# Altium PCB 电磁板.PcbDoc
Units mil, origin at the board's own origin, x right, y up, seen from the top; angles counter-clockwise.
Board outline 2010 x 1340 mil, 2 copper layers (Top Layer, Bottom Layer); 59 components, 45 nets, 184 pads, 31 vias.
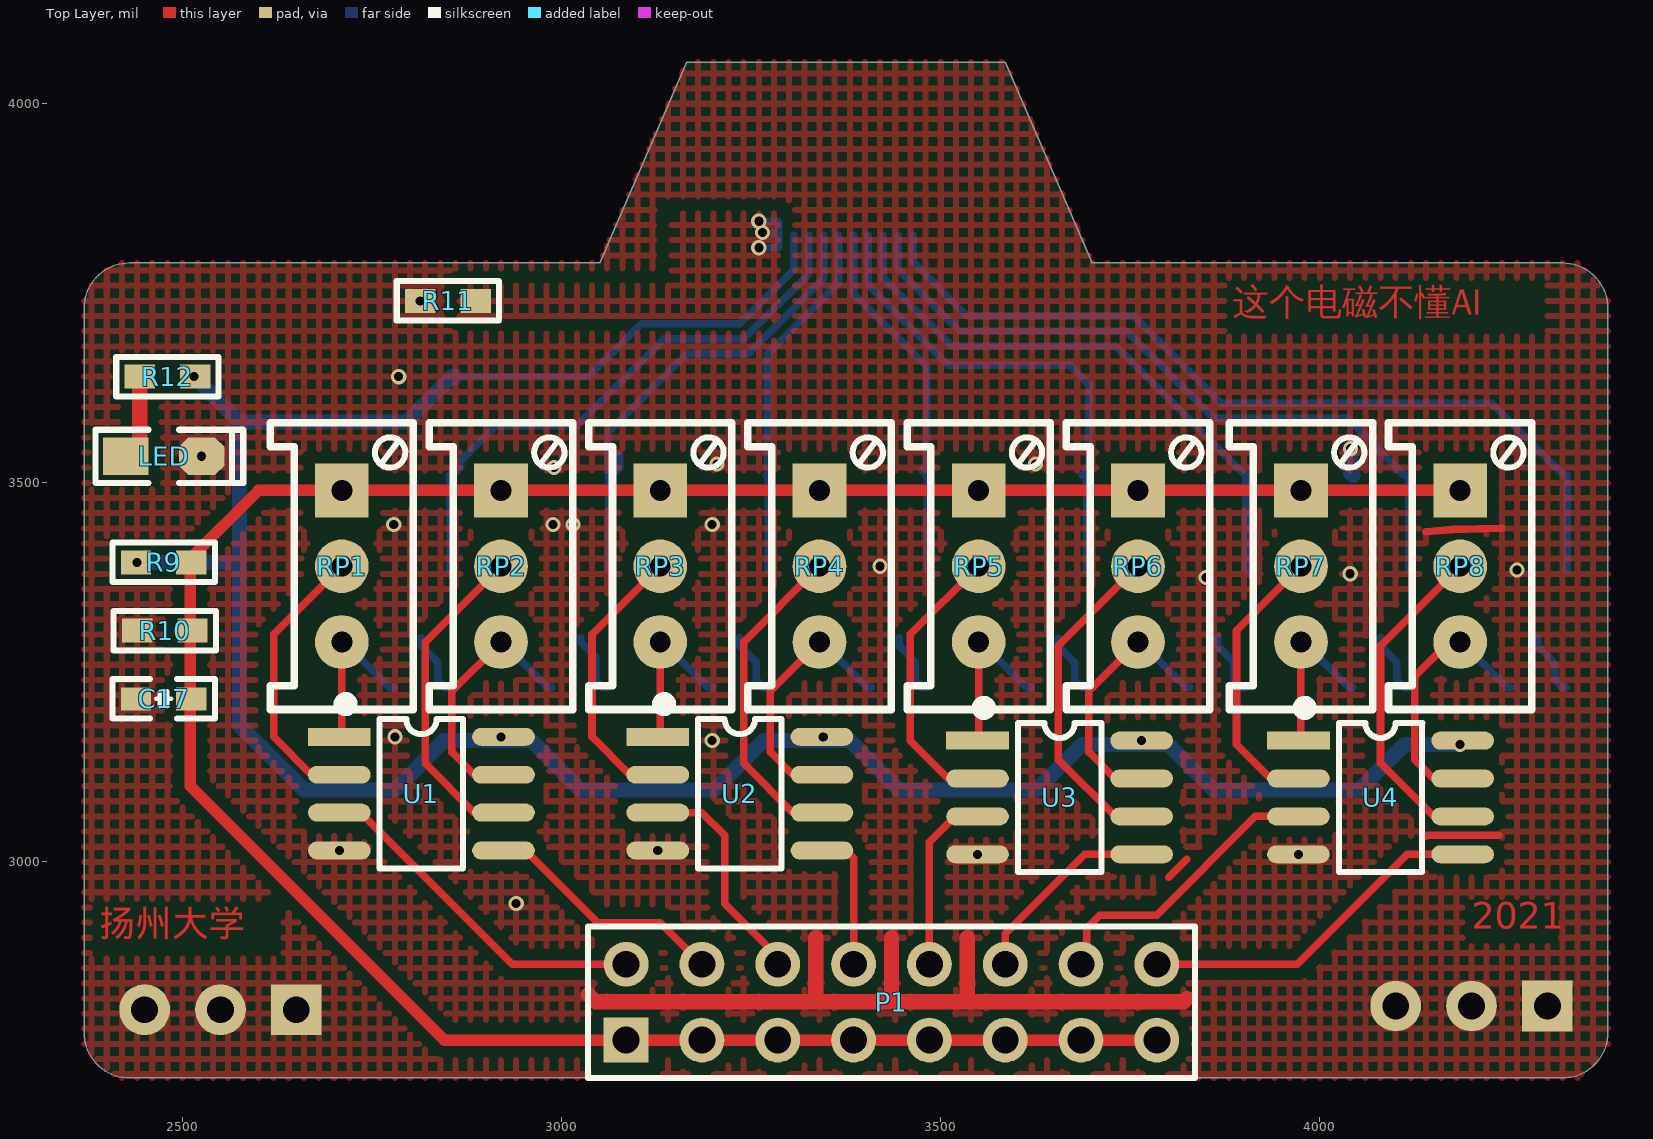
[diagram p0: Top Layer view]
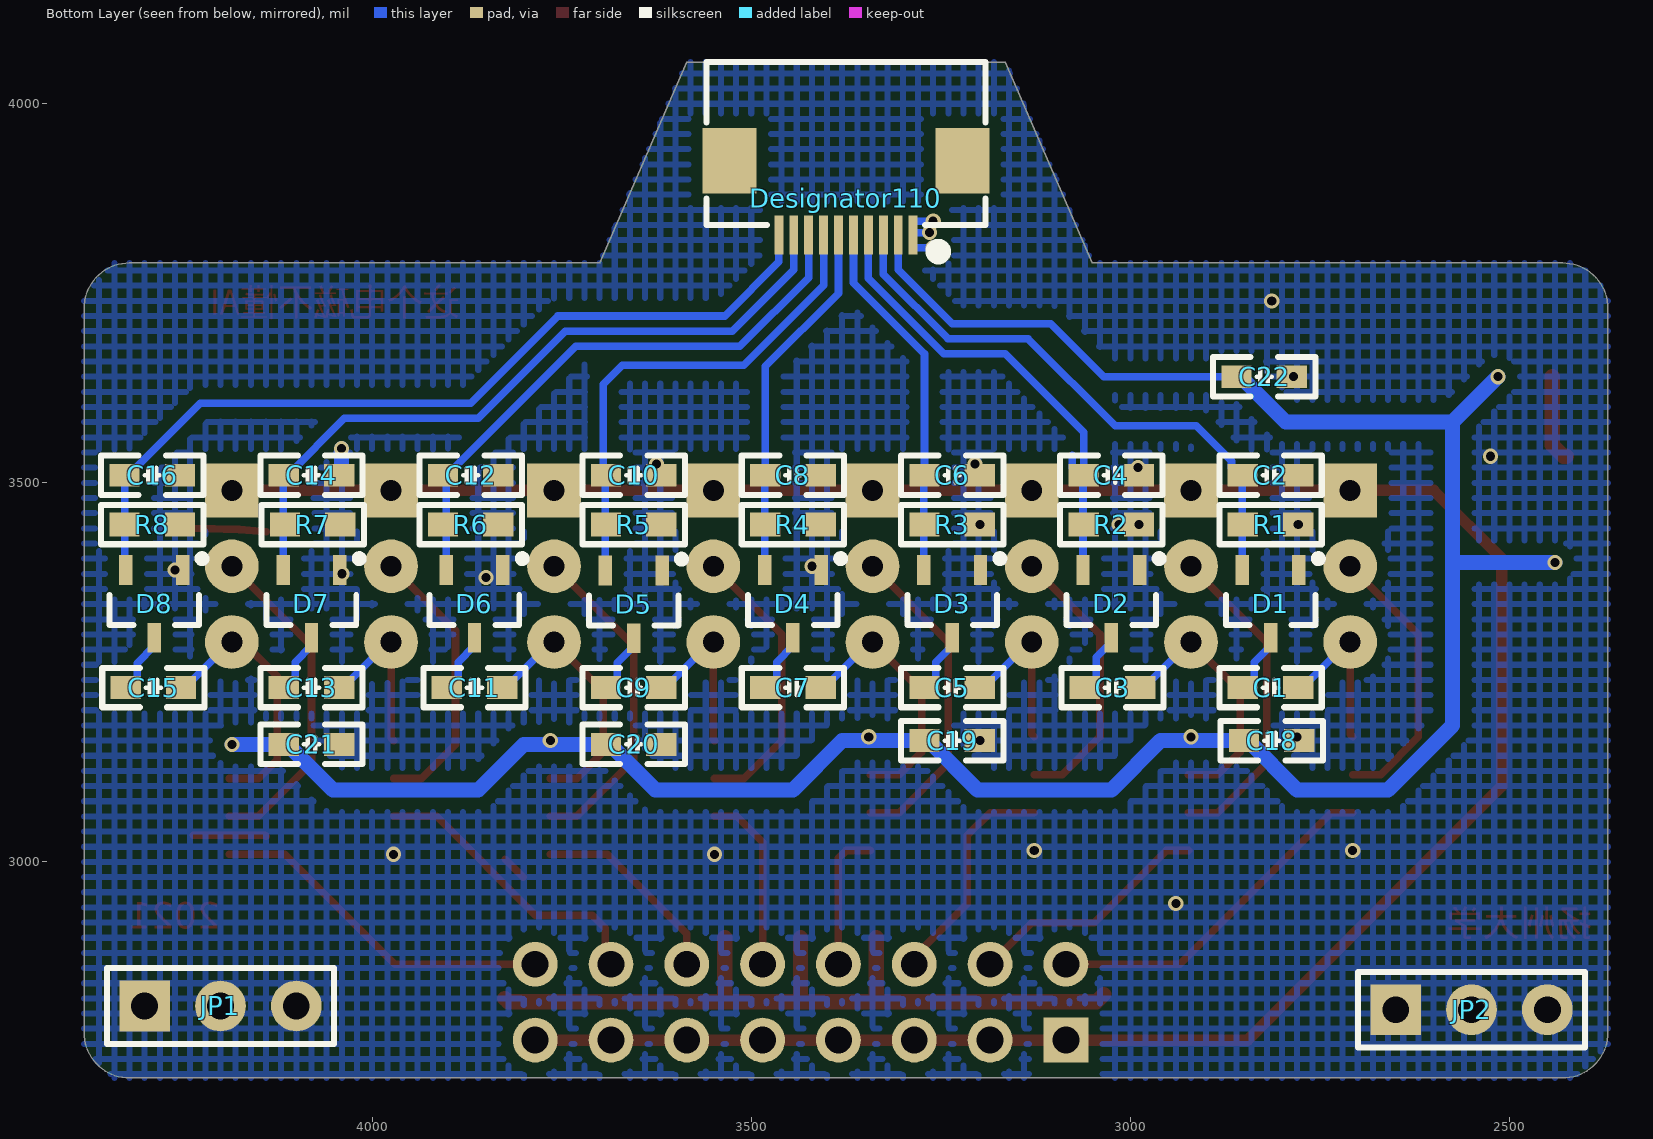
[diagram p1: Bottom Layer view, seen from below]

## Layer stack, top to bottom
Top Solder: solder mask 0.4, Solder Resist, Dk 3.5
Top Layer: signal copper 1.4
Dielectric 1: dielectric 12.6, FR-4, Dk 4.8
Bottom Layer: signal copper 1.4
Bottom Solder: solder mask 0.4, Solder Resist, Dk 3.5

## Board outline
2370,2775 2370,3730 cw(c2430,3730) 2430,3790 3050,3790 3165,4055 3585,4055 3700,3790 4320,3790 cw(c4320,3730) 4380,3730 4380,2775 cw(c4320,2775) 4320,2715 2430,2715 cw(c2430,2775)

## Design rules (kind name [scope] priority, off if disabled: settings)
Clearance [All] p1: gap=8 ignorepadtopadclearanceinfootprint=TRUE except(15: Arc-Poly Track-Poly SMDPad-Poly THPad-Poly Via-Poly Fill-Poly Poly-Poly)
PolygonConnect [All] p1: connectstyle=Direct reliefconductorwidth=10 reliefentries=4 polygonreliefangle="90 Angle" airgapwidth=10
RoutingVias [All] p1: holewidth=28 width=50 viastyle="Through Hole" minholewidth=28 minwidth=50 maxholewidth=28 maxwidth=50
SolderMaskExpansion [All] p1: expansion=4
Width [All] p1: maxlimit=30 minlimit=10 preferedwidth=10 minimp=50.000000 maximp=50.000000 favimp=50.000000
30 further rules are at their usual default settings.

## Components (designator, comment, footprint, x,y, rotation, side; value= is the part's Value field where it differs from the comment)
C1 "104" "C 0603_M" 2815,3230 r0 bottom
C2 "104" "C 0603_M" 2815,3510 r0 bottom
C3 "104" "C 0603_M" 3023.5,3230 r0 bottom
C4 "104" "C 0603_M" 3025,3510 r0 bottom
C5 "104" "C 0603_M" 3235,3230 r0 bottom
C6 "104" "C 0603_M" 3235,3510 r0 bottom
C7 "104" "C 0603_M" 3445,3230 r0 bottom
C8 "104" "C 0603_M" 3445,3510 r0 bottom
C9 "104" "C 0603_M" 3655,3230 r0 bottom
C10 "104" "C 0603_M" 3655,3510 r0 bottom
C11 "104" "C 0603_M" 3865,3230 r0 bottom
C12 "104" "C 0603_M" 3870,3510 r0 bottom
C13 "104" "C 0603_M" 4080,3230 r0 bottom
C14 "104" "C 0603_M" 4080,3510 r0 bottom
C15 "104" "C 0603_M" 4288.5,3230 r0 bottom
C16 "104" "C 0603_M" 4290,3510 r0 bottom
C17 "104" "C 0603_M" 2475,3215 r0 top
C18 "104" "C 0603_M" 2813.5,3160 r0 bottom
C19 "104" "C 0603_M" 3235,3160 r0 bottom
C20 "104" "C 0603_M" 3655,3155 r0 bottom
C21 "104" "C 0603_M" 4080,3155 r0 bottom
C22 "104" "C 0603_M" 2823.5,3640 r0 bottom
D1 "BAT54S" SOT23-3L 2815,3340 r0 bottom
D2 "BAT54S" SOT23-3L 3025,3340 r0 bottom
D3 "BAT54S" SOT23-3L 3235,3340 r0 bottom
D4 "BAT54S" SOT23-3L 3445,3340 r0 bottom
D5 "BAT54S" SOT23-3L 3655,3339.29 r0 bottom
D6 "BAT54S" SOT23-3L 3865,3340 r0 bottom
D7 "BAT54S" SOT23-3L 4080,3340 r0 bottom
D8 "BAT54S" SOT23-3L 4287.4,3340 r0 bottom
Designator110 "Comment" "FPC0.5 2H-WS-10P" 3375,3925 r0 bottom
JP1 "HDR-1X3" HDR2.54-LI-3P 4200,2810 r180 bottom
JP2 "HDR-1X3" HDR2.54-LI-3P 2550,2805 r180 bottom
LED "红色" "LED 0805G" 2475,3535 r0 top
P1 "Header 8X2" HDR2X8 3085,2765 r0 top
R1 "100K" "R 0603_M" 2815,3445 r0 bottom
R2 "100K" "R 0603_M" 3025,3445 r0 bottom
R3 "100K" "R 0603_M" 3235,3445 r0 bottom
R4 "100K" "R 0603_M" 3445,3445 r0 bottom
R5 "100K" "R 0603_M" 3655,3445 r0 bottom
R6 "100K" "R 0603_M" 3870,3445 r0 bottom
R7 "100K" "R 0603_M" 4078.5,3445 r0 bottom
R8 "100K" "R 0603_M" 4290,3445 r0 bottom
R9 "10K" "R 0603_M" 2475,3395 r180 top
R10 "10K" "R 0603_M" 2476.5,3305 r0 top
R11 "0R" "R 0603_M" 2850,3740 r180 top
R12 "10K" "R 0603_M" 2480,3640 r0 top
RP1 "500K" 3296W 2710,3390 r270 top
RP2 "500K" 3296W 2920,3390 r270 top
RP3 "500K" 3296W 3130,3390 r270 top
RP4 "500K" 3296W 3340,3390 r270 top
RP5 "500K" 3296W 3550,3390 r270 top
RP6 "500K" 3296W 3760,3390 r270 top
RP7 "500K" 3296W 3975,3390 r270 top
RP8 "500K" 3296W 4185,3390 r270 top
U1 "OPA2350" SOP8_M 2815,3090 r0 top
U2 "OPA2350" SOP8_M 3235,3090 r0 top
U3 "OPA2350" SOP8_M 3656.73,3085 r0 top
U4 "OPA2350" SOP8_M 4080,3085 r0 top

## Footprints (in the part's own frame and the unit in brackets; to place one, negate y for a bottom-side part, rotate by r counter-clockwise, add the part's x,y. Pads: shape width x height; smd on the part's side, far side on the other; paste and mask are expansions set on the pad)
3296W [mm] "Precise Multi-Winding Adjustable Resistor"
  rect 1.8x1.8 hole 0.7: 1(-2.54,0)
  round 1.8 hole 0.7: 2(0,0) 3(2.54,0)
  silkscreen extent -4.8,-2.4 4.8,2.4, body extent -4.75,-2.4 4.75,2.4, height 11.52
"C 0603_M" [mil] "无极性贴片电容"
  rect 40x30 smd: 1(-36.5,0) 2(36.5,0)
  silkscreen extent -68,-26 68,26, body extent -31,-16 31,16, height 32
"FPC0.5 2H-WS-10P" [mm] "长：9.2mm，宽：5.2mm，高：2mm"
  rect 1.8x2.2 smd: 0(-3.9,0) 0(3.9,0)
  rect 0.3x1.3 smd: 1(-2.25,2.497) 2(-1.75,2.497) 3(-1.25,2.497) 4(-0.75,2.497) 5(-0.25,2.497) 6(0.25,2.497) 7(0.75,2.497) 8(1.25,2.497) 9(1.75,2.497) 10(2.25,2.497)
  silkscreen extent -4.67,-3.3 4.67,3.23, body extent -4.6,-3.15 4.6,2.85, height 2
HDR2.54-LI-3P [mm] "排针，3脚"
  rect 1.7x1.7 hole 0.9: 1(-2.54,0)
  round 1.7 hole 0.9: 2(0,0) 3(2.54,0)
  silkscreen extent -3.81,-1.27 3.81,1.27, body extent -3.81,-1.27 3.81,1.27, height 8.5
HDR2X8 [mm] "Connector; Header; 8x2 Position"
  rect 1.5x1.5 hole 0.9: 1(0,0)
  round 1.5 hole 0.9: 2(0,2.54) 3(2.54,0) 4(2.54,2.54) 5(5.08,0) 6(5.08,2.54) 7(7.62,0) 8(7.62,2.54) 9(10.16,0) 10(10.16,2.54) 11(12.7,0) 12(12.7,2.54) 13(15.24,0) 14(15.24,2.54) 15(17.78,0) 16(17.78,2.54)
  silkscreen extent -1.27,-1.27 19.05,3.81
"LED 0805G" [mil] "绿色0805LED"
  rect 60x50 smd: 1(-50,0)
  oct 60x50 smd: 2(50,0)
  silkscreen extent -90,-35 105,35, body extent -39,-25 39,25, height 32
"R 0603_M" [mil] "1/10W贴片电阻"
  rect 40x31.5 smd: 1(-36.5,0) 2(36.5,0)
  silkscreen extent -68,-26 68,26, body extent -31,-16 31,16, height 16
SOP8_M [mm] "5*6*1.8mm（长宽高）"
  rect 2.1x0.6 smd: 1(-2.75,1.905)
  oval 2.1x0.6 smd: 2(-2.75,0.635) 3(-2.75,-0.635) 4(-2.75,-1.905) 5(2.75,-1.905) 6(2.75,-0.635) 7(2.75,0.635) 8(2.75,1.905)
  silkscreen extent -2.69,-2.5 1.4,3.15, body extent -3,-2.5 3,2.5, height 1.9
SOT23-3L [mm] "3x1.3x1mm(长宽高)"
  rect 0.45x1 smd: 1(-0.95,-1.143) 2(0.95,-1.143) 3(0,1.125)
  silkscreen extent -1.72,-1.65 1.5,0.7, body extent -1.5,-1.2 1.5,1.2, height 1.05

## Part data
C1 C2 C3 C4 C5 C6 C7 C8 C9 C10 C11 C12 C13 C14 C15 C16 C17 C18 C19 C20 C21 C22: library part C, "无极性贴片电容"
JP1 JP2: library part "Header 3", "3P接插件"
LED: library part LED-SMD, "贴片LED", BOM名称=Ì, 学习资源=www.oooc
P1: "Header, 8-Pin, Dual row", LatestRevisionDate=17-Jul-2002, LatestRevisionNote="Re-released for DXP Platform.", Publisher="Altium Limited"
R1 R2 R3 R4 R5 R6 R7 R8 R9 R10 R11 R12: library part R, "贴片电阻"
RP1 RP2 RP3 RP4 RP5 RP6 RP7 RP8: library part RP-ID, "插件单联电位器"

## Via types
v1: diameter 20, hole 12, Top Layer to Bottom Layer, 31 vias

## Nets (pads, with @x,y where several pads share a name; then routed paths per layer and width w, separated by ;. In a path a pad name is that pad's centre, name@x,y a point inside that pad or via, vN(x,y) a via of type N, cw(c..) or ccw(c..) an arc to the next point about the centre after c; other vN are vias at no path point)
5V: C18.2 C19.2 C20.2 C21.2 C22.2 Designator110.2 R9.2 R12.2 U1.8 U2.8 U3.8 U4.8 | length 3307.3
  Bottom Layer w10: C22.2 3035,3640 3105,3710 3235,3710 3306.1,3781.1 Designator110.2
  Bottom Layer w20: v1(2440,3395) 2575,3395 ; v1(2515,3640) 2575,3580 ; C22.2 2855,3640 2795,3580 2575,3580 ; v1(4185,3155) C21.2 4111.5,3155 4051.5,3095 3860,3095 3800,3155 C20.2 3686.5,3155 3626.5,3095 3445,3095 3380,3160 C19.2 3266.5,3160 3201.5,3095 3025,3095 2960,3160 C18.2 2845,3160 2780,3095 2660,3095 2575,3180 2575,3395 ; 2575,3395 2575,3580
  other v1: 3765,3160 2920,3165 3345,3165
AD1_1: C2.2 D1.2 Designator110.3 R1.2 | length 766
  Bottom Layer w10: D1.2 2852.4,3509.1 C2.2 2856.5,3510 2866.5,3520 2866.5,3528.58 2912.92,3575 3020,3575 3135,3690 3240.46,3690 3325.79,3775.33 Designator110.3
AD1_2: C4.2 D2.2 Designator110.4 R2.2 | length 642.7
  Bottom Layer w10: D2.2 3062.4,3509.1 C4.2 ; 3076.5,3536.5 3076.5,3520 3066.5,3510 C4.2 ; Designator110.4 3345.47,3769.56 3245.91,3670 3165,3670 3061.5,3566.5 C4.2
AD2_1: C6.2 D3.2 Designator110.5 R3.2 | length 483
  Bottom Layer w10: D3.2 3272.4,3507.6 3270,3510 C6.2 3271.5,3670.13 3365.16,3763.79 Designator110.5
AD2_2: C8.2 D4.2 Designator110.6 R4.2 | length 491.3
  Bottom Layer w10: Designator110.6 3384.84,3750.16 3481.5,3653.5 C8.2 ; C8.2@3475,3516.5 C8.2 ; D4.2 3482.4,3509.1 C8.2
AD3_1: C10.2 D5.2 Designator110.7 R5.2 | length 665.3
  Bottom Layer w10: Designator110.7 3404.53,3760.47 3510,3655 3670,3655 3695,3630 3695,3518.5 3686.5,3510 C10.2 3692.4,3509.1 D5.2
AD3_2: C12.2 D6.2 Designator110.8 R6.2 | length 772.9
  Bottom Layer w10: Designator110.8 3424.21,3770.79 3515,3680 3731.5,3680 3901.5,3510 C12.2 3902.4,3505.9 D6.2
AD4_1: C14.2 D7.2 Designator110.9 R7.2 | length 955.9
  Bottom Layer w10: Designator110.9 3443.9,3781.1 3525,3700 3745,3700 3860,3585 4036.5,3585 4111.5,3510 C14.2 4117.4,3509.1 D7.2
AD4_2: C16.2 D8.2 Designator110.10 R8.2 | length 1140.5
  Bottom Layer w10: Designator110.10 3463.58,3791.42 3535,3720 3755,3720 3870,3605 4226.5,3605 4321.5,3510 C16.2 R8.2 4326.5,3386.7 D8.2
AGND: C2.1 C4.1 C6.1 C8.1 C10.1 C12.1 C14.1 C16.1 C17.1 C18.1 C19.1 C20.1 C21.1 C22.1 D1.1 D2.1 D3.1 D4.1 D5.1 D6.1 D7.1 D8.1 JP1.1 JP1.2 JP1.3 JP2.1 JP2.2 JP2.3 LED.2 R1.1 R2.1 R3.1 R4.1 R5.1 R6.1 R7.1 R8.1 R10.1 R11.2 U1.4 U2.4 U3.4 U4.4 | length 1316.7
  Top Layer w10: 3800.92,2979.86 3824.67,3003.61 ; 4139.42,3034 4140.73,3035 4235.8,3035 ; 4140,3435.57 4175,3438.43 4239.43,3439.99 ; 4239.43,3439.99 4240,3440 4239.43,3440
  Top Layer w20: 3035,2825 3044.53,2815.47 3335,2815.47 ; 3335,2900 3335,2815.47 ; 3435,2900 3435,2815.47 ; 3535,2900 3535,2815.47 ; 3825,2820 3820.47,2815.47 3535,2815.47 ; 3335,2815.47 3435,2815.47 ; 3435,2815.47 3535,2815.47
  Bottom Layer w20: v1(4040.43,3545.02) 4040.43,3513.07 C14.1
  other v1: 2940,2945 3548.46,3010 3971.73,3010 2706.73,3015 3126.73,3015 3198.5,3160 2780,3165 3850,3375 4040,3380 4260,3385 3420,3390 2778.5,3445 2988.5,3445 3015,3445 3198.5,3445 2990,3520 3205,3525 3625,3525 2525,3535 2785,3640 2813.5,3740
IN1_1+: P1.2 U1.3 | length 461.1
  Top Layer w10: U1.3 2735,3065 2935,2865 P1.2
IN1_1-: RP1.2 U1.2 | length 369.7
  Top Layer w10: U1.2 2670,3115 2620,3165 2620,3300 RP1.2
IN1_2+: P1.4 U1.5 | length 323.9
  Top Layer w10: U1.5 2952.8,3015 3047.8,2920 3130,2920 P1.4
IN1_2-: RP2.2 U1.6 | length 431.6
  Top Layer w10: RP2.2 2820,3290 2820,3130 2885,3065 U1.6
IN2_1+: P1.6 U2.3 | length 299.7
  Top Layer w10: U2.3 3185,3065 3215,3035 3215,2945 3285,2875 P1.6
IN2_1-: RP3.2 U2.2 | length 369.7
  Top Layer w10: U2.2 3090,3115 3040,3165 3040,3300 RP3.2
IN2_2+: P1.8 U2.5 | length 185.9
  Top Layer w10: U2.5 3375,3015 3385,3005 P1.8
IN2_2-: RP4.2 U2.6 | length 431.6
  Top Layer w10: RP4.2 3240,3290 3240,3130 3305,3065 U2.6
IN3_1+: P1.10 U3.3 | length 238.6
  Top Layer w10: P1.10 3485,3026.06 3518.94,3060 U3.3
IN3_1-: RP5.2 U3.2 | length 376.5
  Top Layer w10: U3.2 3510,3110 3460,3160 3460,3300 RP5.2
IN3_2+: P1.12 U3.5 | length 263.5
  Top Layer w10: P1.12 3585,2905 3690,3010 U3.5
IN3_2-: RP6.2 U3.6 | length 439.6
  Top Layer w10: RP6.2 3655,3285 3655,3135 3730,3060 U3.6
IN4_1+: P1.14 U4.3 | length 390.9
  Top Layer w10: P1.14 3692.5,2872.5 3692.5,2912.5 3709.69,2929.69 3784.69,2929.69 3915,3060 U4.3
IN4_1-: RP7.2 U4.2 | length 370.6
  Top Layer w10: U4.2 3935,3110 3890,3155 3890,3305 RP7.2
IN4_2+: P1.16 U4.5 | length 463.3
  Top Layer w10: P1.16 3970,2865 4115,3010 U4.5
IN4_2-: RP8.2 U4.6 | length 440.8
  Top Layer w10: RP8.2 4080,3285 4080,3130 4150,3060 U4.6
NetC1_2: C1.2 D1.3 | length 83.8
  Bottom Layer w10: D1.3 2815,3284.88 2836.5,3263.38 2836.5,3240 2846.5,3230 C1.2
NetC3_2: C3.2 D2.3 | length 83.1
  Bottom Layer w10: D2.3 3025,3290 3045,3270 3045,3240 3055,3230 C3.2
NetC5_2: C5.2 D3.3 | length 83.8
  Bottom Layer w10: D3.3 3235,3284.88 3256.5,3263.38 3256.5,3240 3266.5,3230 C5.2
NetC7_2: C7.2 D4.3 | length 83.8
  Bottom Layer w10: D4.3 3445,3284.88 3466.5,3263.38 3466.5,3240 3476.5,3230 C7.2
NetC9_2: C9.2 D5.3 | length 83
  Bottom Layer w10: D5.3 3655,3284.17 3676.5,3262.67 3676.5,3240 3686.5,3230 C9.2
NetC11_2: C11.2 D6.3 | length 83.8
  Bottom Layer w10: D6.3 3865,3284.88 3886.5,3263.38 3886.5,3240 3896.5,3230 C11.2
NetC13_2: C13.2 D7.3 | length 83.8
  Bottom Layer w10: D7.3 4080,3284.88 4101.5,3263.38 4101.5,3240 4111.5,3230 C13.2
NetC15_2: C15.2 D8.3 | length 84.2
  Bottom Layer w10: D8.3 4287.4,3284.88 4310,3262.28 4310,3240 4320,3230 C15.2
NetLED_1: LED.1 R12.1 | length 114.7
  Top Layer w20: LED.1 2428.5,3535 2443.5,3550 R12.1
NetR11_1: Designator110.1 R11.1 | length 108.6
  Bottom Layer w10: v1(3260,3810) 3285.51,3810 3286.42,3810.91 Designator110.1 Designator110.1@3286.42,3829.09 ; v1(3260,3845) 3285.51,3845 3286.42,3844.09 Designator110.1@3286.42,3829.09 ; v1(3265,3830) 3285.51,3830 Designator110.1@3286.42,3829.09
OUT1_1: C1.1 RP1.3 U1.1 | length 219.7
  Top Layer w10: U1.1 2710,3168.27 RP1.3
  Bottom Layer w10: RP1.3 2713.5,3290 2773.5,3230 C1.1
OUT1_2: C3.1 RP2.3 U1.7 | length 344.5
  Top Layer w10: RP2.3 2855,3225 2855,3145 2885,3115 U1.7
  Bottom Layer w10: RP2.3 2922,3290 2982,3230 C3.1
OUT2_1: C5.1 RP3.3 U2.1 | length 219.7
  Top Layer w10: U2.1 3130,3168.27 RP3.3
  Bottom Layer w10: RP3.3 3133.5,3290 3193.5,3230 C5.1
OUT2_2: C7.1 RP4.3 U2.7 | length 346
  Top Layer w10: RP4.3 3275,3225 3275,3145 3305,3115 U2.7
  Bottom Layer w10: RP4.3 3343.5,3290 3403.5,3230 C7.1
OUT3_1: C9.1 RP5.3 U3.1 | length 224
  Top Layer w10: U3.1 3550,3161.54 RP5.3
  Bottom Layer w10: RP5.3 3553.5,3290 3613.5,3230 C9.1
OUT3_2: C11.1 RP6.3 U3.7 | length 349.8
  Top Layer w10: RP6.3 3695,3225 3695,3145 3730,3110 U3.7
  Bottom Layer w10: RP6.3 3763.5,3290 3823.5,3230 C11.1
OUT4_1: C13.1 RP7.3 U4.1 | length 224.7
  Top Layer w10: U4.1 3975,3163.27 RP7.3
  Bottom Layer w10: RP7.3 3978.5,3290 4038.5,3230 C13.1
OUT4_2: C15.1 RP8.3 U4.7 | length 353.9
  Top Layer w10: RP8.3 4170.32,3290 4125,3244.68 4125,3135 4150,3110 U4.7
  Bottom Layer w10: RP8.3 4187,3290 4247,3230 C15.1
UP: C17.2 P1.1 P1.3 P1.5 P1.7 P1.9 P1.11 P1.13 P1.15 R9.1 R10.2 RP1.1 RP2.1 RP3.1 RP4.1 RP5.1 RP6.1 RP7.1 RP8.1 | length 3426
  Top Layer w15: P1.15 P1.13 P1.11 P1.9 P1.7 P1.5 P1.3 P1.1 2845,2765 2510,3100 2510,3400 2600,3490 RP1.1 RP2.1 RP3.1 RP4.1 RP5.1 RP6.1 RP7.1 RP8.1
pads on no net: Designator110.0

## Polygon pours and split planes (outlines as drawn)
AGND on Bottom Layer (hatched 90Degree grid 20 track 8, remove dead copper, pour order 16): 2415,2715 2375,2755 2370,2755 2370,3750 2410,3790 3050,3790 3165,4055 3585,4055 3700,3790 4340,3790 4380,3745 4380,2755 4340,2715
NetR11_1 on Bottom Layer (hatched 90Degree grid 20 track 8, remove dead copper, pour order 12): 2945,3745
NetR11_1 on Bottom Layer "Bottom Layer-NetR11_1" (solid, pour order 0): 2855,3790
AGND on Top Layer (hatched 90Degree grid 20 track 8, remove dead copper, pour order 18): 2370,3750 2410,3790 3050,3790 3165,4055 3585,4055 3700,3790 4340,3790 4380,3745 4380,2755 4340,2715 2415,2715 2370,2755
NetR11_1 on Top Layer (hatched 90Degree grid 20 track 8, remove dead copper, pour order 14): 2865,3760 3145,3760 3145,3855 3285,3855 3285,3710 3275,3720 2865,3720

## Other copper
Top Layer:
  text "这个电磁不懂AI" at 3885,3710 h60
  text "2021" at 4200,2900 h60
  text "扬州大学" at 2390,2890 h60

## Silkscreen, mask and mechanical layers (free items; w line width, h text height)
Mechanical 1:
  lines w10: 2370,2775 ccw(c2430,2775) 2430,2715 4320,2715 ccw(c4320,2775) 4380,2775 4380,3730 ccw(c4320,3730) 4320,3790 3700,3790 3585,4055 3165,4055 3050,3790 2430,3790 ccw(c2430,3730) 2370,3730 2370,3500 2370,2775